# Altium PCB PLD.PcbDoc (part 3 of 5)
Units mm, origin at the board's own origin, x right, y up, seen from the top; angles counter-clockwise.
Board outline 90.25 x 94.44 mm, 6 copper layers (Top, GND, Signal Layer 1, Power, Signal2, Bottom), stack 1.297 mm thick; 378 components, 254 nets, 1301 pads, 704 vias.
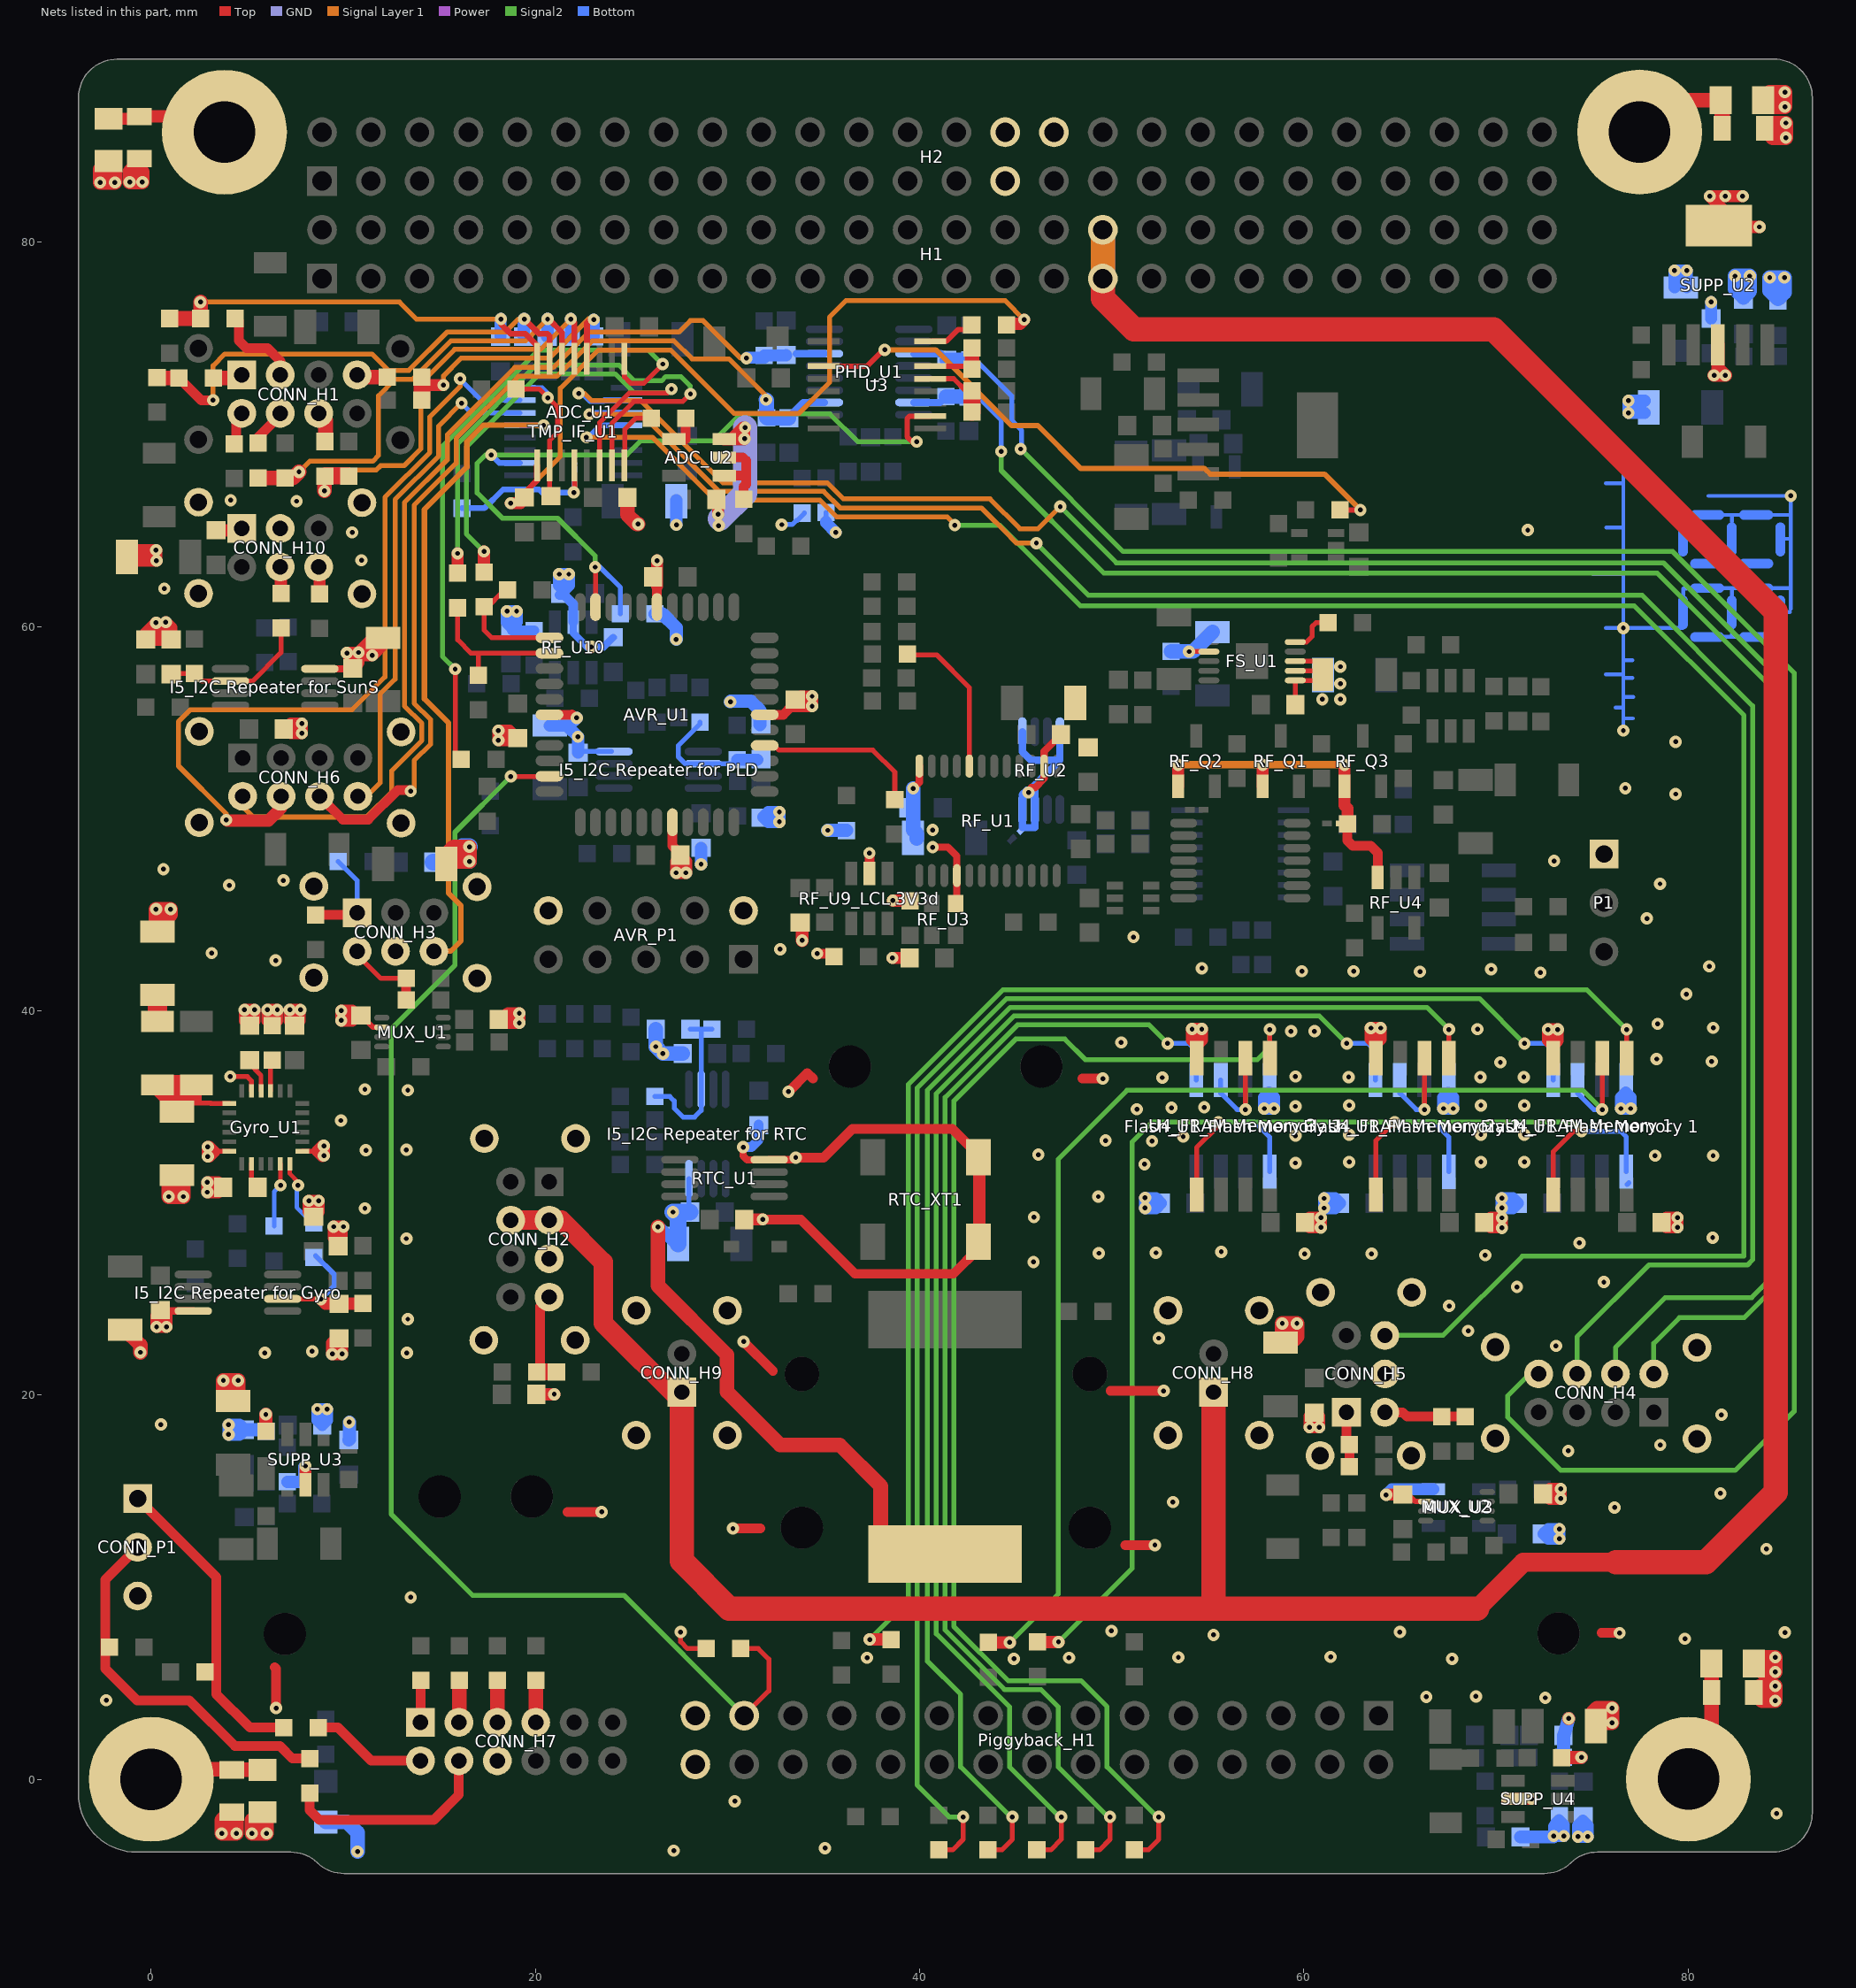
[diagram p7: the nets of this part, all layers, seen from the top]

## Via types
v1: diameter 0.635, hole 0.25, Top to Bottom, 701 vias
v2: diameter 0.7, hole 0.25, Top to Bottom, 3 vias

## Nets (pads, with @x,y where several pads share a name; then routed paths per layer and width w, separated by ;. In a path a pad name is that pad's centre, name@x,y a point inside that pad or via, vN(x,y) a via of type N, cw(c..) or ccw(c..) an arc to the next point about the centre after c; other vN are vias at no path point) (continued)
DGND: "Flash_C1_Flash Memory 1.1" "Flash_C1_Flash Memory 2.1" "Flash_C1_Flash Memory 3.1" "Flash_U1_Flash Memory 1.4" "Flash_U1_Flash Memory 2.4" "Flash_U1_Flash Memory 3.4" "FRAM_C1_FRAM Memory 1.1" "FRAM_C1_FRAM Memory 2.1" "FRAM_C1_FRAM Memory 3.1" "I5_I2C Repeater for Gyro.4" "I5_I2C Repeater for PLD.4" "I5_I2C Repeater for RTC.4" "I5_I2C Repeater for SunS.4" "I8_I2C Repeater for Gyro.2" "I8_I2C Repeater for PLD.2" "I8_I2C Repeater for RTC.2" "I8_I2C Repeater for SunS.2" "I9_I2C Repeater for Gyro.2" "I9_I2C Repeater for PLD.2" "I9_I2C Repeater for RTC.2" "I9_I2C Repeater for SunS.2" "I10_I2C Repeater for Gyro.1" "I10_I2C Repeater for PLD.1" "I10_I2C Repeater for RTC.1" "I10_I2C Repeater for SunS.1" "I11_I2C Repeater for Gyro.1" "I11_I2C Repeater for PLD.1" "I11_I2C Repeater for RTC.1" "I11_I2C Repeater for SunS.1" "I12_I2C Repeater for Gyro.1" "I12_I2C Repeater for PLD.1" "I12_I2C Repeater for RTC.1" "I12_I2C Repeater for SunS.1" "RF_C22_LCL 3V3d.2" "RF_R19_LCL 3V3d.1" "RF_R20_LCL 3V3d.1" "RF_U9_LCL 3V3d.2" "U4_FRAM Memory 1.4" "U4_FRAM Memory 2.4" "U4_FRAM Memory 3.4" ADC_C11.2 ADC_C12.2 ADC_C13.2 ADC_J1.2 ADC_U1.12 ADC_U2.3 AVR_C1.2 AVR_C2.2 AVR_C3.2 AVR_C4.2 AVR_C6.2 AVR_P1.2 AVR_P1.10 AVR_U1.6 AVR_U1.18 AVR_U1.28 AVR_U1.39 CONN_C1.1 CONN_C2.1 CONN_C3.2 CONN_C4.2 CONN_H2.0 CONN_H2.3 CONN_H3.0 CONN_H3.5 CONN_H4.0 CONN_H5.0 CONN_H5.5 CONN_H6.0 CONN_H7.9 CONN_H8.0 CONN_H9.0 CONN_H10.0 CONN_H10.1 CONN_H10.2 CONN_P1.3 CONN_R1.1 CONN_R2.1 CONN_R3.2 CONN_R4.2 Gyro_C1.2 Gyro_C2.2 Gyro_C3.2 Gyro_C4.2 Gyro_C5.2 Gyro_R2.2 Gyro_U1.1 Gyro_U1.11 Gyro_U1.18 H2.29 H2.30 H2.32 LI_C1.1 MCU_R5.1 MCU_R6.1 MCU_R7.1 MCU_R8.1 MCU_R13.2 MUX_C1.2 MUX_C2.2 MUX_C3.2 MUX_C4.2 MUX_C5.2 MUX_U1.2 MUX_U2.2 MUX_U3.3 OBC_D1.2 P1.1 Piggyback_H1.29 Piggyback_H1.30 RF_C2.2 RF_C6.2 RF_C7.2 RF_C20.2 RF_C21.2 RF_R13.1 RF_R22.1 RF_U1.4 RF_U1.24 RF_U3.2 RF_U10.2 RTC_C1.2 RTC_C2.2 RTC_U1.4 RTC_XT1.2 RTC_XT1.3 SUPP_C8.2 SUPP_C9.2 SUPP_C10.2 SUPP_C11.2 SUPP_C12.2 SUPP_C13.2 SUPP_C14.2 SUPP_C15.2 SUPP_C16.1 SUPP_C19.2 SUPP_C20.2 SUPP_C21.2 SUPP_C22.2 SUPP_C26.1 SUPP_C29.2 SUPP_C30.2 SUPP_C31.1 SUPP_C32.1 SUPP_R11.2 SUPP_R16.2 SUPP_R17.2 SUPP_R18.2 SUPP_R19.2 SUPP_R20.2 SUPP_R21.2 SUPP_U2.3 SUPP_U2.6 SUPP_U3.2 SUPP_U4.2 | length 424.5
  Top w0.254: v1@3.095,32.69 3.1,32.685 3.253,32.685 Gyro_U1.18@4.065,32.685 ; v1(4.111,36.577) 5,36.577 5.215,36.361 Gyro_U1.11@5.215,35.835 ; Gyro_U1.1@7.865,32.685 8.677,32.685 8.83,32.685 v1@8.835,32.68 ; v1(27.555,7.671) 27.555,7.163 27.911,6.808 MCU_R13.2@28.89,6.808 MCU_R13.2@28.89,6.706
  Top w0.279: MUX_C5.2@10.918,39.763 11.542,39.139 MUX_U1.2@12,39.139 ; v1(21.992,66.98) v1@22.029,66.98 ; ADC_U1.12@22.029,68.389 v1@22.029,66.98 ; MUX_C4.2@65.147,15.11 65.797,14.46 MUX_U2.2@66.341,14.46 ; v1@22.029,66.98 22.126,66.98 22.145,66.962 22.088,66.905 22.029,66.964 v1@22.029,66.98
  Top w0.381: 0.531,24.372 2.192,24.372 ; 8.773,57.798 10.463,57.798 10.486,57.822 10.181,58.127 v1(10.181,58.624) ; v1(30.813,32.903) 30.813,32.446 31.016,32.243 RTC_U1.4@32.159,32.243 ; RTC_U1.4@32.166,32.246 33.435,32.246 v1(33.549,32.36) ; v1(39.666,51.575) 39.982,51.892 RF_U1.24@39.982,52.736 ; v1@40.776,48.517 41.472,48.517 41.932,48.057 RF_U1.4@41.932,47.036 41.932,45.637 RF_U3.2@41.871,45.575
  Top w0.5: 6.426,5.834 6.498,5.762 v1(6.498,3.709) ; 21.666,13.919 v1(23.444,13.919) ; v1(30.277,13.056) 31.699,13.056 ; v1(30.836,22.784) 32.36,21.26 ; v1@31.816,29.131 33.81,29.131 36.627,26.314 41.753,26.314 RTC_XT1.2@43.056,27.617 ; v1(33.172,35.789) 34.15,36.766 34.442,36.474 ; v1(33.549,32.36) 34.997,32.36 36.496,33.859 41.703,33.859 RTC_XT1.3@43.107,32.455 ; 48.463,36.474 v1(49.53,36.474) ; 49.933,20.219 v1(52.701,20.219) ; 50.698,12.193 v1(52.244,12.193) ; 75.489,7.62 v1(76.429,7.62)
  Top w0.508: AVR_U1.6@20.728,55.412 21.879,55.412 v1@21.891,55.423 ; AVR_U1.39@26.328,61.012 AVR_C3.2@26.328,62.101 ; AVR_U1.18@27.128,49.812 27.128,48.586 AVR_C2.2@27.428,48.286 ; RTC_C1.2@30.861,29.131 v1@31.816,29.131 ; AVR_U1.28@31.928,55.412 32.892,55.412 AVR_C1.2@33.372,55.892 ; v1(34.667,42.977) 35.585,42.977 ; 37.385,47.158 v1(37.385,48.21) ; RF_U3.2@41.871,45.575 41.932,45.637 RF_U3.2@41.946,45.65
  Top w0.635: SUPP_C20.2@-1.298,63.628 -0.943,63.983 v1(0.25,63.983) 0.25,63.449 v1(0.274,63.424) -0.918,63.424 SUPP_C20.2@-1.274,63.069 ; v1(0.25,60.199) -0.283,59.665 -0.283,59.321 -0.145,59.321 ; SUPP_C19.2@3.298,65.01 SUPP_C19.2@3.374,65.01 4.623,65.01 CONN_H10.1@4.714,65.101 ; SUPP_U3.2@8.025,15.327 v1(8.025,16.307) ; 9.724,27.748 9.902,27.926 v1@9.902,28.626 ; 9.75,27.941 9.498,28.192 9.498,28.764 v1(10.001,28.764) ; v1@10.816,58.573 10.893,58.497 v1(11.502,58.497) ; 11.782,59.513 11.655,59.513 v1(10.791,58.649) ; LI_C1.1@20.048,20.041 v1(20.976,20.041) ; AVR_C3.2@26.328,62.101 v1(26.328,63.432) ; ADC_C12.2@29.412,66.769 29.511,66.67 v1(29.511,65.837) ; ADC_U2.3@29.822,69.751 ADC_U2.3@30.199,69.751 ; RTC_C1.2@30.868,29.134 30.877,29.144 v1(31.829,29.144) ; v1(30.882,69.774) v1@30.859,69.751 ; AVR_C1.2@33.372,55.857 v1(34.398,55.857) 34.398,56.361 33.827,56.361 AVR_C1.2@33.575,56.109 ; v1(38.579,42.749) RF_C2.2@39.482,42.749 ; v1(38.604,45.746) 38.618,45.732 39.493,45.732 ; RTC_XT1.2@43.056,27.617 RTC_XT1.2@43.056,27.977 ; RTC_XT1.2@43.107,27.469 RTC_XT1.3@43.107,32.455 ; v1(64.283,14.809) 64.294,14.82 MUX_C4.2@65.147,14.82 ; SUPP_U4.2@70.873,-1.015 v1(71.853,-1.015) ; v1(82.837,82.398) v1(81.936,82.398) v1(81.124,82.398) 82.724,80.798 v1(83.714,80.798) ; -0.145,59.321 1.037,59.321 1.037,59.945 v1(0.758,60.224) -0.145,59.321 ; v1(10.791,58.649) 10.766,58.624 v1(10.181,58.624) 10.486,58.319 10.486,57.822 10.791,58.127 v1(10.791,58.649) ; v1(11.502,58.497) 12.061,59.056 12.061,59.41 11.502,58.851 v1(11.502,58.497) ; ADC_U2.3@30.199,69.751 v1@30.859,69.751 ; ADC_U2.3@30.199,69.751 30.806,70.359 v1(30.908,70.359) 30.859,70.31 v1@30.859,69.751 ; v1(0.279,23.549) 0.783,23.549 0.783,24.12 0.531,24.372 0.279,24.12 v1(0.279,23.549) ; v1(2.921,30.559) 2.921,31.063 3.492,31.063 Gyro_C4.2@3.744,30.811 3.492,30.559 v1(2.921,30.559) ; v1(2.942,32.411) 2.956,32.411 3.021,32.413 3.273,32.665 3.253,32.685 3.021,32.917 3.019,32.915 2.942,32.915 v1(2.942,32.411) ; Gyro_C5.2@4.875,39.481 Gyro_C5.2@5.127,39.229 5.379,39.481 v1(5.379,40.052) 4.875,40.052 Gyro_C5.2@4.875,39.481 ; Gyro_R2.2@6.043,39.481 Gyro_R2.2@6.295,39.229 6.547,39.481 6.547,40.052 v1(6.054,40.052) 6.043,40.052 Gyro_R2.2@6.043,39.481 ; 7.017,54.701 7.269,54.953 7.841,54.953 v1(7.841,54.449) 7.269,54.449 7.017,54.701 ; Gyro_C3.2@7.212,39.481 Gyro_C3.2@7.464,39.229 7.715,39.481 7.715,40.052 v1(7.212,40.052) Gyro_C3.2@7.212,39.481 ; 8.202,29.535 8.454,29.283 8.706,29.535 8.706,30.107 v1(8.202,30.107) 8.202,29.535 ; 8.657,32.705 8.677,32.685 8.909,32.453 v1(8.988,32.455) 8.988,32.959 8.974,32.959 8.909,32.957 8.657,32.705 ; v1(9.422,22.139) 9.925,22.139 9.925,22.71 9.673,22.962 9.422,22.71 v1(9.422,22.139) ; v1(9.892,39.5) 9.892,40.003 10.463,40.003 10.715,39.752 10.463,39.5 v1(9.892,39.5) ; v1(18.07,54.079) 18.07,54.583 18.642,54.583 18.894,54.331 18.642,54.079 v1(18.07,54.079) ; MUX_C1.2@18.335,39.625 18.587,39.373 v1(19.158,39.373) 19.158,39.876 18.587,39.876 MUX_C1.2@18.335,39.625 ; v1(27.329,47.183) 27.832,47.183 27.832,47.755 27.58,48.007 27.329,47.755 v1(27.329,47.183) ; 54.176,38.478 54.428,38.226 54.68,38.478 54.68,39.049 v1(54.176,39.049) 54.176,38.478 ; 60.057,28.98 60.308,28.728 60.88,28.728 v1(60.88,29.232) 60.308,29.232 60.057,28.98 ; v1(60.291,18.322) 60.794,18.322 60.794,18.893 60.542,19.145 60.291,18.893 v1(60.291,18.322) ; 63.484,38.531 63.735,38.279 63.987,38.531 63.987,39.102 v1(63.484,39.102) 63.484,38.531 ; 69.478,28.98 69.73,29.232 70.302,29.232 v1(70.302,29.223) 70.302,28.728 69.73,28.728 69.478,28.98 ; MUX_C2.2@72.548,14.86 72.8,15.112 73.371,15.112 v1(73.371,14.608) 72.8,14.608 MUX_C2.2@72.548,14.86 ; 72.707,38.459 72.959,38.207 73.211,38.459 73.211,39.031 v1(72.707,39.031) 72.707,38.459 ; 78.624,28.98 78.876,28.728 v1(79.447,28.728) 79.447,29.232 78.876,29.232 78.624,28.98
  Top w0.686: v1(5.965,19) 5.967,18.998 SUPP_R17.2@5.967,18.122 ; v1(33.88,43.663) 33.88,44.592 ; SUPP_R20.2@73.415,1.144 v1(74.443,1.144) ; v1(81.352,73.076) v1(81.936,73.076) 81.545,73.467 ; 81.545,73.422 81.545,73.467 ; SUPP_U2.3@81.545,74.668 81.545,73.467
  Top w0.762: -1.35,23.395 -0.563,22.608 v1(-0.563,22.225) ; CONN_R1.1@-0.487,84.303 -1.122,83.668 v1(-1.122,83.135) v1(-0.461,83.135) -0.461,83.668 ; Gyro_C1.2@0.758,44.601 0.326,44.169 Gyro_C1.2@0.25,44.246 ; ADC_C13.2@24.789,66.719 24.789,65.817 25.276,65.329 v1(25.345,65.329) ; v1(26.382,28.757) 26.382,25.685 29.968,22.099 29.968,20.168 32.737,17.4 35.835,17.4 37.969,15.266 RTC_C2.2@37.969,11.456 ; RTC_C2.2@39.776,12.392 RTC_C2.2@41.5,12.392 ; Gyro_C1.2@0.25,44.246 1.012,45.008 v1(1.012,45.289) v1(0.25,45.289) Gyro_C1.2@0.25,44.246 ; v1(-2.654,83.11) -2.654,83.797 CONN_C1.1@-2.222,84.229 -1.892,83.899 v1(-1.892,83.11) v1(-2.654,83.11) ; v1(0.91,30.328) 0.91,31.015 Gyro_C2.2@1.342,31.447 1.672,31.117 v1(1.672,30.328) v1(0.91,30.328) ; v1(3.669,-2.817) v1(4.431,-2.817) 4.431,-2.029 4.101,-1.699 3.669,-2.131 v1(3.669,-2.817) ; SUPP_C22.2@3.755,19.965 v1(3.755,20.753) v1(4.517,20.753) 4.517,20.067 4.085,19.635 SUPP_C22.2@3.755,19.965 ; v1(5.244,-2.81) v1(6.006,-2.81) 6.006,-2.021 5.675,-1.691 5.244,-2.123 v1(5.244,-2.81) ; SUPP_C8.2@15.427,48.223 15.744,48.54 v1(16.558,48.54) v1(16.558,47.778) 15.871,47.778 SUPP_C8.2@15.427,48.223 ; SUPP_C14.2@58.873,22.937 v1(58.873,23.725) v1(59.635,23.725) 59.635,23.038 59.203,22.607 SUPP_C14.2@58.873,22.937 ; SUPP_C30.2@75.028,3.48 75.256,3.709 v1(76.045,3.709) v1(76.045,2.947) 75.561,2.947 SUPP_C30.2@75.028,3.48 ; CONN_R4.2@83.417,4.522 83.748,4.852 v1(84.536,4.852) v1(84.536,4.09) 83.849,4.09 CONN_R4.2@83.417,4.522 ; CONN_C4.2@83.417,6.02 83.748,6.351 v1(84.536,6.351) v1(84.536,5.589) 83.849,5.589 CONN_C4.2@83.417,6.02 ; CONN_C2.1@83.918,87.478 84.248,87.808 v1(85.036,87.808) v1(85.036,87.046) 84.349,87.046 CONN_C2.1@83.918,87.478 ; CONN_R2.1@83.968,85.878 84.4,85.446 v1(85.087,85.446) v1(85.087,86.208) 84.299,86.208 CONN_R2.1@83.968,85.878
  GND w0.635: v1(29.511,65.837) 29.765,65.837 30.882,66.955 v1(30.882,69.774)
  GND w1.27: v1@29.6,65.609 30.908,66.917 v1(30.908,70.359)
  Bottom w0.203: 75.053,62.739 76.628,62.739 ; 75.713,57.506 76.602,57.506 ; 75.713,59.919 v1(76.628,59.919) ; 75.713,67.463 76.602,67.463 ; 75.739,61.088 76.628,61.088 ; 75.739,65.152 76.628,65.152 ; 76.221,55.779 76.628,55.779 ; v1(76.628,54.585) 76.628,55.779 ; 76.628,68.403 76.628,65.152 ; 76.653,55.22 77.114,55.22 ; 76.679,56.337 77.14,56.337 ; 77.089,57.328 76.628,57.328 ; 77.089,58.242 76.628,58.242 ; 79.727,59.919 v1(76.628,59.919) ; 79.752,61.596 79.752,61.977 80.133,61.977 ; 79.752,65.406 79.752,65.787 80.133,65.787 ; 81.055,66.802 v1(85.34,66.802) ; 81.784,59.462 82.279,59.462 ; 81.784,62.002 82.279,62.002 ; 81.784,63.272 82.279,63.272 ; 81.784,65.812 82.279,65.812 ; 82.279,59.83 82.279,59.462 ; 82.279,61.634 82.279,62.002 ; 82.279,63.64 82.279,63.272 ; 82.279,65.444 82.279,65.812 ; 82.775,59.462 82.279,59.462 ; 82.775,62.002 82.279,62.002 ; 82.775,63.272 82.279,63.272 ; 82.775,65.812 82.279,65.812 ; 84.349,62.002 85.34,62.002 ; 84.349,65.812 85.34,65.812 ; 84.959,60.757 85.289,60.757 ; 84.959,64.567 85.289,64.567 ; 85.34,60.91 85.34,62.002 ; v1@85.344,66.802 v1(85.34,66.802) ; 76.628,55.779 76.628,57.328 ; 76.628,57.328 76.628,58.242 ; 76.628,58.242 v1(76.628,59.919) ; v1(76.628,59.919) 76.628,61.088 ; 76.628,61.088 76.628,62.739 ; 76.628,62.739 76.628,65.152 ; 85.34,62.002 85.34,65.812 ; 85.34,65.812 v1(85.34,66.802)
  Bottom w0.254: 22.221,53.441 22.274,53.493 23.96,53.493 ; 27.993,31.262 27.993,29.576 28.045,29.523 ; v1(32.813,65.304) 33.357,65.304 33.586,65.533 33.637,65.533 MCU_R6.1@34.007,65.903 ; MCU_R7.1@35.124,65.928 35.124,65.456 35.632,64.948 v1(35.632,64.898)
  Bottom w0.279: v1@22.025,66.98 ADC_J1.2@22.025,68.285
  Bottom w0.3: MCU_R5.1@16.18,66.156 17.337,66.156 18.313,67.132 20.187,67.132 20.339,66.98 v1(21.992,66.98) v1@22.025,66.98
  Bottom w0.381: RF_U10.2@21.967,60.228 21.967,59.654 22.678,58.943 v1(22.907,58.943) 23.556,58.943 RF_C20.2@24.05,59.437
  Bottom w0.5: 79.727,60.097 79.727,61.367 ; 79.727,63.907 79.727,65.177 ; 80.362,59.462 81.632,59.462 ; 80.362,62.002 81.632,62.002 ; 80.362,63.272 81.632,63.272 ; 80.362,65.812 81.632,65.812 ; 82.267,60.097 82.267,61.367 ; 82.267,63.907 82.267,65.177 ; 82.902,59.462 84.172,59.462 ; 82.902,62.002 84.172,62.002 ; 82.902,63.272 84.172,63.272 ; 82.902,65.812 84.172,65.812 ; 84.807,60.097 84.807,61.367 ; 84.807,63.907 84.807,65.177
  Bottom w0.508: AVR_C6.2@18.767,59.803 19.924,59.803 RF_R22.1@19.935,59.792 ; RF_C21.2@21.245,61.636 21.495,61.636 21.967,61.163 RF_U10.2@21.967,60.228 ; v1(30.813,32.903) 31.252,32.903 31.623,33.274 31.623,34.05 31.623,34.084
  Bottom w0.635: SUPP_R16.2@7.085,15.483 7.785,15.483 7.974,15.672 7.974,16.256 v1(8.025,16.307) ; 20.941,55.03 20.751,54.84 21.741,54.84 ; v1(22.145,55.244) 21.741,54.84 ; 22.221,53.441 22.221,54.253 v1(22.207,54.268) 21.741,54.734 21.741,54.84 ; v1(26.382,28.757) 26.42,28.757 27.364,27.814 ; v1(27.333,65.287) 27.333,66.584 ADC_C11.2@27.332,66.583 ; 27.359,27.808 27.364,27.814 ; 27.366,27.812 27.364,27.814 ; 27.422,27.872 27.364,27.814 ; v1(28.622,47.626) 28.622,48.478 ; 35.124,65.456 35.124,65.406 v1(35.632,64.898) ; v1(64.283,14.809) 64.573,15.098 MUX_U3.3@66.733,15.098 ; SUPP_C10.2@77.746,71.121 v1(76.894,71.121) v1(76.894,71.756) SUPP_C10.2@77.746,71.756 ; SUPP_C11.2@79.295,77.674 v1(79.295,78.526) v1(79.93,78.526) SUPP_C11.2@79.93,77.674 ; SUPP_C12.2@81.2,76.034 v1(81.2,76.886) ; v1(4.026,17.946) 4.026,18.45 4.598,18.45 SUPP_C21.2@4.85,18.198 4.598,17.946 v1(4.026,17.946) ; SUPP_C16.1@8.647,18.693 SUPP_C16.1@8.899,18.441 9.151,18.693 9.151,19.264 v1(8.647,19.264) SUPP_C16.1@8.647,18.693 ; AVR_C6.2@18.515,60.222 18.767,59.97 19.018,60.222 19.018,60.793 v1(18.515,60.793) AVR_C6.2@18.515,60.222 ; RF_C21.2@21.233,62.152 21.484,61.9 21.736,62.152 21.736,62.724 v1(21.233,62.724) RF_C21.2@21.233,62.152 ; 31.873,50.089 32.125,50.341 32.696,50.341 v1(32.696,49.838) 32.125,49.838 31.873,50.089 ; v1(51.733,29.733) 51.733,30.237 52.304,30.237 52.556,29.985 52.304,29.733 v1(51.733,29.733) ; v1(57.935,34.912) 58.439,34.912 58.439,35.484 58.187,35.736 57.935,35.484 v1(57.935,34.912) ; v1(61.055,29.731) 61.055,30.235 61.626,30.235 61.878,29.983 61.626,29.731 v1(61.055,29.731) ; v1(67.257,34.91) 67.761,34.91 67.761,35.482 67.509,35.734 67.257,35.482 v1(67.257,34.91) ; v1(70.3,29.733) 70.3,30.237 70.871,30.237 71.123,29.985 70.871,29.733 v1(70.3,29.733) ; MUX_C3.2@72.472,12.777 72.724,12.525 v1(73.295,12.525) 73.295,13.029 72.724,13.029 MUX_C3.2@72.472,12.777 ; v1@73.023,-2.956 v1(73.527,-2.956) 73.527,-2.385 73.275,-2.133 73.123,-2.285 73.123,-2.353 73.023,-2.453 v1@73.023,-2.956 ; v1(74.268,-2.982) 74.771,-2.982 74.771,-2.41 74.52,-2.158 74.268,-2.41 v1(74.268,-2.982) ; v1(76.502,34.912) 77.006,34.912 77.006,35.484 76.754,35.736 76.502,35.484 v1(76.502,34.912)
  Bottom w0.686: SUPP_C21.2@4.85,18.198 5.891,18.198 SUPP_R18.2@5.967,18.122 5.967,18.998 v1(5.965,19) ; SUPP_C31.1@10.283,17.665 10.308,17.69 v1(10.308,18.593) ; MCU_R8.1@26.22,60.656 26.615,60.656 27.326,59.945 v1(27.326,59.335) ; v1(30.146,56.084) 30.171,56.109 31.213,56.109 31.681,55.641 31.681,54.888 ; v1(35.211,49.393) RF_R13.1@36.191,49.393 ; SUPP_C32.1@71.279,-2.997 72.983,-2.997 v1@73.023,-2.956 ; SUPP_C29.2@73.515,2.287 SUPP_C29.2@73.515,2.236 ; v1(73.783,3.165) 73.528,2.283 SUPP_C29.2@73.515,2.236 ; v1(74.443,1.144) SUPP_R21.2@73.515,1.144 SUPP_C29.2@73.515,2.236
  Bottom w0.762: OBC_D1.2@9.084,-2.218 10.185,-2.218 10.735,-2.768 v1(10.735,-3.759) ; 15.399,47.737 15.439,47.778 v1(16.558,47.778) 16.558,48.183 16.201,48.54 ; 26.267,39.048 v1(26.267,38.135) 26.624,37.778 27.664,37.778 ; v1(39.666,51.575) 39.666,49.409 39.852,49.222 RF_C6.2@39.852,48.969 ; 82.444,77.556 v1(82.444,78.243) v1(83.206,78.243) 83.206,77.455 82.876,77.124 82.444,77.556 ; 84.248,77.48 v1(84.248,78.167) v1(85.01,78.167) 85.01,77.378 84.679,77.048 84.248,77.48
  Bottom w0.889: SUPP_C9.2@14.673,47.737 15.399,47.737 ; 15.439,47.778 16.201,48.54 v1(16.558,48.54) ; v1(27.156,29.525) v1@27.157,29.523 ; 27.422,27.872 27.422,29.258 v1@27.157,29.523 ; 28.045,29.523 v1@27.157,29.523
  other v1: 27.199,-3.708 35.073,-3.581 74.774,-2.982 73.004,-2.956 84.603,-1.777 30.374,-1.142 -2.341,4.115 72.564,4.242 66.366,4.293 68.957,4.319 44.903,6.274 67.712,6.274 37.258,6.325 47.773,6.325 53.463,6.351 61.388,6.376 79.828,7.316 55.292,7.519 85.035,7.646 64.995,7.671 49.983,7.722 13.509,9.475 84.07,11.989 73.295,13.031 76.171,14.148 53.184,14.428 81.682,14.885 73.371,15.114 73.758,17.095 78.547,17.401 60.799,18.322 4.026,18.451 0.504,18.466 81.733,18.974 9.154,19.264 9.934,22.139 5.914,22.2 13.306,22.2 8.378,22.276 73.123,22.556 52.447,22.962 68.551,23.343 0.794,23.549 13.356,23.953 67.56,24.639 71.091,25.629 75.612,25.883 45.919,26.925 69.44,27.28 60.042,27.356 63.521,27.356 49.323,27.382 52.295,27.407 55.698,27.458 74.342,27.915 13.28,28.144 81.276,28.195 70.302,28.701 60.88,28.721 9.494,28.764 79.447,29.236 45.945,29.261 11.121,29.719 8.714,30.107 61.055,30.236 70.3,30.251 51.733,30.271 49.297,30.328 2.921,31.071 51.703,32.017 59.559,32.081 62.353,32.132 69.211,32.132 71.472,32.132 78.279,32.462 81.301,32.462 46.173,32.513 11.172,32.741 13.28,32.767 2.942,32.919 8.988,32.971 52.091,33.224 49.678,33.249 53.717,33.452 59.559,33.503 62.353,33.554 69.211,33.554 71.472,33.554 9.877,34.291 51.304,34.875 58.441,34.912 67.764,34.91 77.014,34.912 53.107,34.951 54.809,34.976 59.559,35.027 62.353,35.078 69.211,35.078 71.472,35.078 13.356,35.865 11.121,35.916 52.629,36.524 62.328,36.551 69.186,36.551 71.446,36.551 59.559,36.577 70.227,37.313 81.225,37.364 78.355,37.491 26.634,37.771 50.491,38.355 59.33,38.939 60.55,38.939 54.684,39.049 69.033,39.04 73.214,39.031 63.989,39.102 81.305,39.116 78.41,39.319 19.158,39.878 9.892,40.006 4.854,40.052 6.564,40.052 7.774,40.052 79.908,40.869 72.31,41.987 66.04,42.037 59.893,42.062 62.586,42.062 69.748,42.164 54.686,42.215 81.098,42.317 6.473,42.622 3.146,43.003 32.737,43.206 51.126,43.841 77.851,44.806 4.06,46.533 78.537,46.609 6.879,46.787 27.834,47.183 0.631,47.372 73.025,47.803 40.674,48.517 40.674,49.414 32.696,50.351 79.35,51.283 76.733,51.587 79.35,54 18.07,54.585 7.841,54.956 34.398,56.371 19.02,60.793 0.682,61.977 21.738,62.724 10.943,63.45 10.461,64.898 71.653,65.024 29.536,65.253 7.565,66.523 4.136,66.574